# Altium PCB RFID_PCB.PcbDoc (part 2 of 4) (continued)
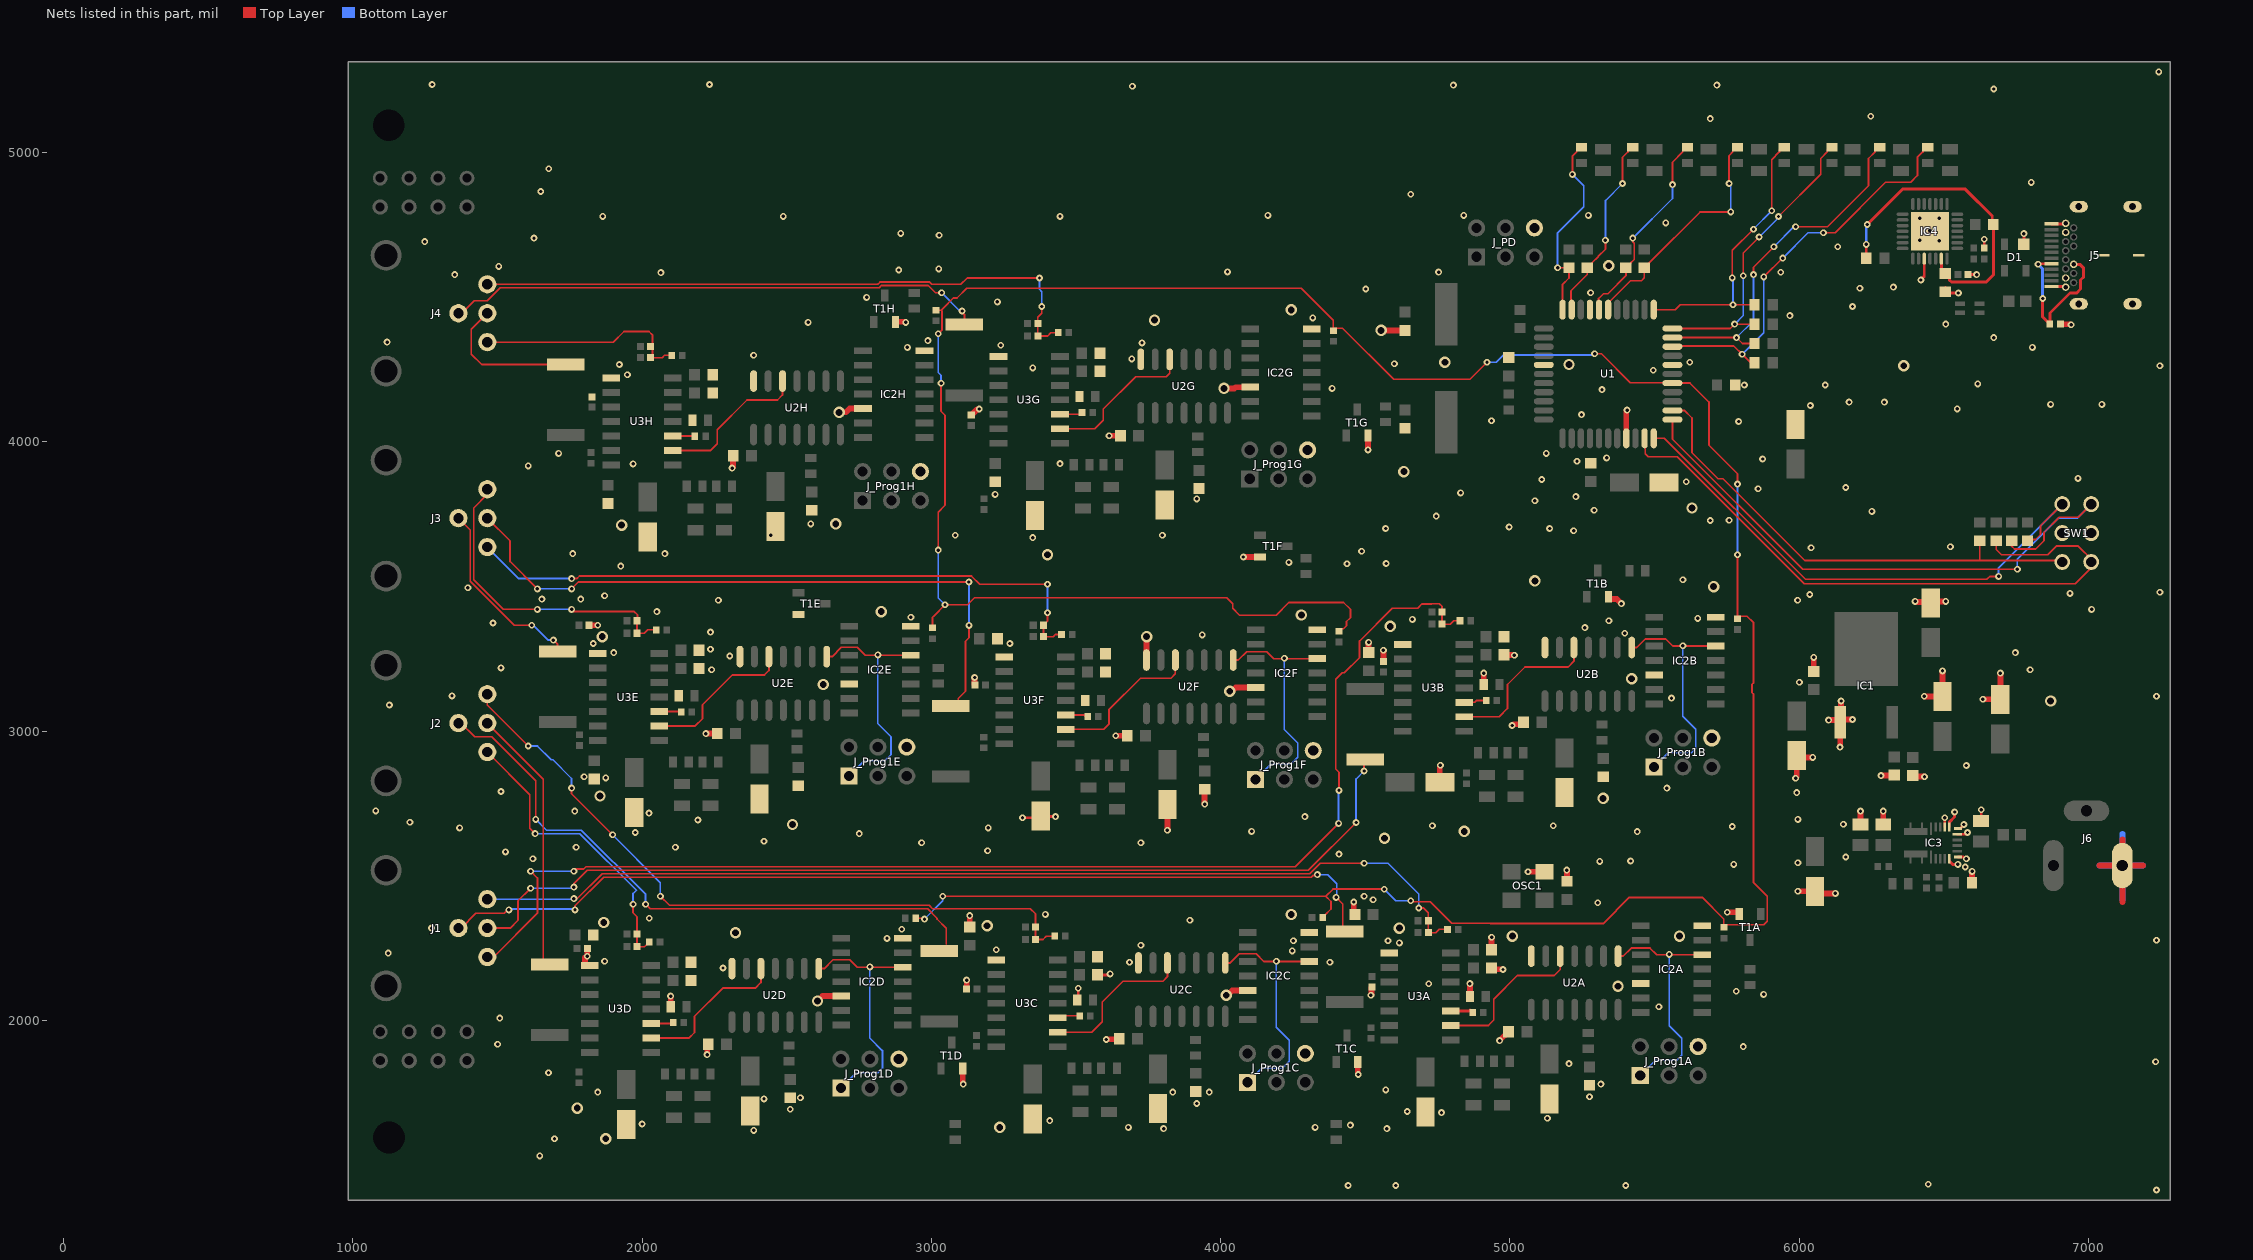
[diagram p2: the nets of this part, all layers, seen from the top]
## Part data (continued)
U3A U3B U3C U3D U3E U3F U3G U3H: library part HTRC110, "HITAG RFID READER 125KHZ", Manufacturer="NXP Semiconductors", Part Number=HTRC11001T/03EE

## Free pads (board coordinates)
  round 50 hole 110: 1(1124,5095) 2(1124.25,1595)

## Via types
v1: diameter 23.62, hole 11.81, Top Layer to Bottom Layer, tented both sides, 644 vias
v2: diameter 39.37, hole 23.62, Top Layer to Bottom Layer, tented both sides, 61 vias

## Nets (pads, with @x,y where several pads share a name; then routed paths per layer and width w, separated by ;. In a path a pad name is that pad's centre, name@x,y a point inside that pad or via, vN(x,y) a via of type N, cw(c..) or ccw(c..) an arc to the next point about the centre after c; other vN are vias at no path point)
BV_1: R11.1 SW1.1 U1.10 | length 2235.5
  Top Layer w6: U1.10@5468.31,4012.56 5468.31,3959.17 5478.32,3949.17 5578.84,3949.17 6018.01,3510 6955,3510 7015.23,3570.23 7015.23,3590 6965.23,3640 6890,3640 6860,3610 6700,3610 6681.67,3628.33 R11.1@6681.67,3658.5
BV_2: R12.1 SW1.2 U1.11 | length 1950.6
  Top Layer w6: U1.11@5497.48,4012.56 5534.69,4012.56 6022.24,3525 6649.77,3525 6659.77,3535 v1(6690,3535) 6695,3535 v1@6697.38,3537.38 ; R12.1@6790,3662.83 6817.83,3662.83 6835,3680 6835,3709.77 SW1.2@6915.23,3790
  Bottom Layer w6: v1(6690,3535) 6690,3564.77 SW1.2@6915.23,3790
BV_3: R13.1 SW1.4 U1.12 | length 2213
  Top Layer w6: U1.12@5562.44,4077.52 5562.44,4009.92 6012.36,3560 v1(6755,3560) ; R13.1@6735,3662.83 R13.1@6735,3658.5 6735,3640 6745,3630 6818.97,3630 6847,3658.03 6847,3687 6900,3740 6965.23,3740 SW1.4@7015.23,3790
  Bottom Layer w6: v1(6755,3560) 6755,3595 6896.4,3736.4 6961.63,3736.4 SW1.4@7015.23,3790
BV_4: R14.1 SW1.8 U1.13 | length 1710.9
  Top Layer w6: U1.13@5562.44,4109.02 5603.58,4109.02 5629.92,4082.68 5629.92,3962.69 5719.73,3872.89 5737.35,3872.89 6020.24,3590 6625,3590 ; R14.1@6625,3662.83 R14.1@6625,3658.5 6625,3590 ; SW1.8@6915.23,3590 6625,3590
CC1: J5.A5 J5.B8 R22.2 | length 565.9
  Top Layer w10: v1(6826.77,4614.17) 6828.74,4616.14 J5.A5@6872.83,4616.14 ; v1(6842.52,4496.06) 6842.52,4432.17 6860.12,4414.57 6860.91,4414.57 R22.2@6867.32,4408.15 ; R22.2@6867.32,4407.36 R22.2@6867.32,4408.15 ; J5.B8@6949.61,4614.17 6970.69,4614.17 6984.25,4600.61 6984.25,4570.87 6973.4,4560.02 6973.4,4528.52 6960.24,4515.35 6936.61,4515.35 6867.32,4446.06 R22.2@6867.32,4408.15
  Bottom Layer w10: v1(6826.77,4614.17) 6842.52,4598.43 v1(6842.52,4496.06)
CP_VCC: C29.2 IC4.6 R32.2 R34.2 | length 1099.1
  Top Layer w10: R32.2@6232.64,4635.83 v1(6232.64,4683.17) ; v1(6236.22,4751.97) 6358.27,4874.02 6575,4874.02 6668.22,4780.8 6668.22,4755.57 6671.82,4751.97 6671.82,4577.33 6647.41,4552.92 6526.76,4552.92 6520.9,4558.78 6520.9,4568.98 6512.43,4577.44 6506.21,4577.44 C29.2@6506.21,4582.68 ; IC4.6@6492.13,4633.86 6492.13,4592.52 C29.2@6504.09,4580.55
  Bottom Layer w10: v1(6232.64,4683.17) 6232.64,4744.7 6236.22,4748.28 v1(6236.22,4751.97)
D1: R1.2 R35.1 U1.20 | length 1398.9
  Top Layer w6: U1.20@5562.44,4331.82 5774.48,4331.82 v1(5803.15,4303.15) 5832.8,4273.5 R1.2@5846.02,4273.5 ; v1(5877.95,4570.87) 5942.91,4635.83 v1(5943.5,4635.83) ; v1(6084.53,4723.23) 6124.8,4723.23 6299.21,4897.64 6385.83,4897.64 6409.45,4921.26 6409.45,4983.86 6428.39,5002.8 6428.39,5008.12 6439.57,5019.29 R35.1@6444.88,5019.29
  Bottom Layer w6: v1(5803.15,4303.15) 5877.95,4377.95 v1(5877.95,4570.87) ; v1(5943.5,4635.83) 6030.91,4723.23 v1(6084.53,4723.23)
D2: R2.2 R37.1 U1.21 | length 1226.8
  Top Layer w6: U1.21@5562.44,4360.98 v1(5784.02,4360.98) 5804.57,4340.43 R2.2@5846.02,4340.43 ; v1(5842.52,4578.74) 5842.52,4604.33 v1(5913.39,4675.2) ; v1(5988.19,4744.09) 6098.43,4744.09 6240.16,4885.83 6240.16,4979.92 6263.04,5002.8 6263.04,5008.12 6274.21,5019.29 R37.1@6279.53,5019.29
  Bottom Layer w6: v1(5784.02,4360.98) 5842.52,4419.49 v1(5842.52,4578.74) ; v1(5913.39,4675.2) 5982.28,4744.09 v1(5988.19,4744.09)
D3: R3.2 R39.1 U1.22 | length 1044.3
  Top Layer w6: U1.22@5562.44,4392.48 5762.48,4392.48 v1(5777.36,4407.36) R3.2@5846.02,4407.36 ; v1(5807.09,4574.8) 5807.09,4653.54 v1(5862.2,4708.66) ; v1(5929.13,4779.53) 6074.8,4925.2 6074.8,4979.92 6097.69,5002.8 6097.69,5008.12 6108.86,5019.29 R39.1@6114.17,5019.29
  Bottom Layer w6: v1(5777.36,4407.36) 5807.09,4437.09 v1(5807.09,4574.8) ; v1(5862.2,4708.66) 5929.13,4775.59 v1(5929.13,4779.53)
D4: R4.2 R41.1 U1.23 | length 978.9
  Top Layer w6: U1.23@5497.48,4457.44 5572.44,4457.44 5589.29,4474.29 v1(5771.65,4474.29) R4.2@5846.02,4474.29 ; v1(5769.43,4567.36) 5769.43,4662.34 v1(5842.52,4735.43) ; v1(5905.51,4799.21) 5905.51,4975.98 5932.33,5002.8 5932.33,5008.12 5943.5,5019.29 R41.1@5948.82,5019.29
  Bottom Layer w6: v1(5769.43,4567.36) 5771.65,4565.14 v1(5771.65,4474.29) ; v1(5842.52,4735.43) 5842.52,4736.22 v1(5905.51,4799.21)
D5: R5.2 R36.1 U1.28 | length 840.5
  Top Layer w6: U1.28@5340,4457.44 5340,4480.47 5417.32,4557.8 5455.44,4557.8 5465,4567.36 R5.2@5465,4602.36 5466.97,4602.36 5481.69,4617.08 5481.69,4619.05 5657.91,4795.28 v1(5763.78,4795.28) ; v1(5758.11,4893.7) 5758.11,4990 5770.91,5002.8 5770.91,5008.12 5782.09,5019.29 R36.1@5787.4,5019.29
  Bottom Layer w6: v1(5758.11,4893.7) 5758.11,4888.93 5763.78,4883.26 v1(5763.78,4795.28)
D6: R6.2 R38.1 U1.29 | length 707.3
  Top Layer w6: U1.29@5308.5,4457.44 5307.09,4458.86 5307.09,4496.06 5323.91,4512.89 5339.66,4512.89 5401.57,4574.8 R6.2@5401.57,4602.36 5403.54,4602.36 5418.26,4617.08 5418.26,4619.05 5430.26,4631.05 5430.26,4686.8 5425.2,4691.86 v1(5425.2,4704.72) ; v1(5562.44,4889.76) 5562.44,4967.56 5597.69,5002.8 5597.69,5008.12 5608.86,5019.29 R38.1@5614.17,5019.29
  Bottom Layer w6: v1(5425.2,4704.72) 5562.44,4841.97 v1(5562.44,4889.76)
D7: R7.2 R40.1 U1.32 | length 654.6
  Top Layer w6: U1.32@5211.69,4457.44 5211.69,4522.79 5267.72,4578.82 R7.2@5267.72,4602.36 5269.69,4602.36 5284.4,4617.08 5284.4,4619.05 5305.96,4640.61 5305.96,4641.8 5330.71,4666.55 v1(5330.71,4697.35) ; v1(5389.76,4893.7) 5389.76,4983.86 5408.71,5002.8 5408.71,5008.12 5419.88,5019.29 R40.1@5425.2,5019.29
  Bottom Layer w6: v1(5330.71,4697.35) 5330.71,4834.65 v1(5389.76,4893.7)
D8: R8.2 R42.1 U1.33 | length 680.4
  Top Layer w6: v1(5165.35,4602.36) R8.2@5204.72,4602.36 5204.72,4566.93 5182.52,4544.72 U1.33@5182.52,4457.44 ; v1(5216.54,4925.2) 5216.54,4987.8 5231.54,5002.8 5231.54,5008.12 5242.72,5019.29 R42.1@5248.03,5019.29
  Bottom Layer w6: v1(5165.35,4602.36) 5165.35,4723.23 5255.91,4813.78 5255.91,4885.83 v1(5216.54,4925.2)
DINA: U2A.12 U3A.9 | length 548.5
  Top Layer w6: U3A.9@4795.28,1982.68 4926.34,1982.68 4944.88,2001.22 4944.88,2074.61 4945.92,2074.61 5026.35,2155.05 5153.18,2155.05 5174.17,2176.04 5174.17,2222.2 U2A.12@5174.41,2222.44
DINB: U2B.12 U3B.9 | length 555
  Top Layer w6: U3B.9@4842.52,3049.61 4962.99,3049.61 4992.13,3078.74 4992.13,3161.42 5052.69,3221.98 5202.29,3221.98 5221.65,3241.34 U2B.12@5221.65,3289.37
DINC: U2C.12 U3C.9 | length 546.7
  Top Layer w6: U3C.9@3437.01,1959.06 3554.74,1959.06 3590.55,1994.87 3590.55,2063.37 3662.54,2135.36 3800.72,2135.36 3816.14,2150.79 U2C.12@3816.14,2198.82
DIND: U2D.12 U3D.9 | length 539.6
  Top Layer w6: U3D.9@2031.5,1939.37 2162.56,1939.37 2181.1,1957.92 2181.1,2014.27 2278.57,2111.74 2391.27,2111.74 2410.63,2131.1 U2D.12@2410.63,2179.13
DINE: U2E.12 U3E.9 | length 534.4
  Top Layer w6: U3E.9@2059.05,3018.11 2183.34,3018.11 2208.66,3043.43 2208.66,3090.93 2312.15,3194.42 2422.76,3194.42 2438.19,3209.84 U2E.12@2438.19,3257.87
DINF: U2F.12 U3F.9 | length 535.5
  Top Layer w6: U3F.9@3464.57,3006.3 3595.63,3006.3 3613.8,3024.47 3613.8,3073.82 3722.96,3182.98 3828.65,3182.98 3843.7,3198.03 U2F.12@3843.7,3246.06
DING: U2G.12 U3G.9 | length 529.5
  Top Layer w6: U3G.9@3444.88,4045.67 3565.35,4045.67 3594.49,4074.8 3594.49,4113.9 3706.5,4225.91 3812.53,4225.91 3824.02,4237.4 U2G.12@3824.02,4285.43
DINH: U2H.12 U3H.9 | length 535.5
  Top Layer w6: U3H.9@2106.3,3970.87 2237.36,3970.87 2259.84,3993.35 2259.84,4042.7 2362.34,4145.2 2468.04,4145.2 2485.43,4162.6 U2H.12@2485.43,4210.63
DOUTA: R19A.1 U3A.10 | length 68.1
  Top Layer w10: U3A.10@4795.28,2032.68 4859.45,2032.68 R19A.1@4862.2,2035.43
DOUTB: R19B.1 U3B.10 | length 70.1
  Top Layer w6: U3B.10@4842.52,3099.61 4879.13,3099.61 4885.83,3106.3 R19B.1@4909.84,3106.3
DOUTC: R19C.1 U3C.10 | length 79.8
  Top Layer w6: U3C.10@3437.01,2009.06 cw(c3443.7,2009.06) 3443.7,2015.75 R19C.1@3512.99,2015.75
DOUTD: R19D.1 U3D.10 | length 77.1
  Top Layer w6: U3D.10@2031.5,1989.37 2104.72,1989.37 R19D.1@2107.48,1992.13
DOUTE: R19E.1 U3E.10 | length 67.8
  Top Layer w6: U3E.10@2059.05,3068.11 2125.2,3068.11 R19E.1@2126.38,3066.93
DOUTF: R19F.1 U3F.10 | length 69.4
  Top Layer w6: U3F.10@3464.57,3056.3 3526.77,3056.3 R19F.1@3531.89,3051.18
DOUTG: R19G.1 U3G.10 | length 78.8
  Top Layer w6: U3G.10@3444.88,4095.67 3514.17,4095.67 R19G.1@3520.87,4102.36
DOUTH: R19H.1 U3H.10 | length 67.8
  Top Layer w6: U3H.10@2106.3,4020.87 2172.44,4020.87 R19H.1@2173.62,4019.68
GND: C1.1 C2A.1 C2B.1 C2C.1 C2D.1 C2E.1 C2F.1 C2G.1 C2H.1 C3A.2 C3B.2 C3C.2 C3D.2 C3E.2 C3F.2 C3G.2 C3H.2 C5.2 C6A.1 C6B.1 C6C.1 C6D.1 C6E.1 C6F.1 C6G.1 C6H.1 C7.1 C8.1 C9.1 C10A.2 C10B.2 C10C.2 C10D.2 C10E.2 C10F.2 C10G.2 C10H.2 C11A.1 C11B.1 C11C.1 C11D.1 C11E.1 C11F.1 C11G.1 C11H.1 C12.1 C13A.2 C13B.2 C13C.2 C13D.2 C13E.2 C13F.2 C13G.2 C13H.2 C14A.1 C14B.1 C14C.1 C14D.1 C14E.1 C14F.1 C14G.1 C14H.1 C15A.1 C15B.1 C15C.1 C15D.1 C15E.1 C15F.1 C15G.1 C15H.1 C16.2 C17.2 C18.2 C19.2 C20.2 C21.2 C22.2 C23.2 C24.2 C25.1 C26.1 C27.1 C28.1 C29.1 D1.1 IC1.1 IC2A.7 IC2A.12 IC2B.7 IC2B.12 IC2C.7 IC2C.12 IC2D.7 IC2D.12 IC2E.7 IC2E.12 IC2F.7 IC2F.12 IC2G.7 IC2G.12 IC2H.7 IC2H.12 IC3.1 IC3.2 IC3.14 IC3.15 IC3.19 IC3.20 IC4.3 IC4.29 J5.A1 J5.A12 J5.B1 J5.B12 J5.G1 J5.G2 J5.Shell J6.1 J_PD.6 J_Prog1A.6 J_Prog1B.6 J_Prog1C.6 J_Prog1D.6 J_Prog1E.6 J_Prog1F.6 J_Prog1G.6 J_Prog1H.6 OSC1.2 R10.1 R20A.2 R20B.2 R20C.2 R20D.2 R20E.2 R20F.2 R20G.2 R20H.2 R22.1 R30.1 R33.1 SW1.C1 SW1.C2 T1A.2 T1B.2 T1C.2 T1D.2 T1E.2 T1F.2 T1G.2 T1H.2 U1.8 U1.18 U1.30 U1.38 U2A.14 U2B.14 U2C.14 U2D.14 U2E.14 U2F.14 U2G.14 U2H.14 U3A.1 U3B.1 U3C.1 U3D.1 U3E.1 U3F.1 U3G.1 U3H.1 | length 4941.5
  Top Layer w5: v2@5704.72,3484.25 v2(5704.72,3500)
  Top Layer w9.84: IC3.2@6503.94,2669.29 v1(6503.94,2700.79) ; IC3.14@6519.69,2559.06 6519.69,2549.21 6520.67,2548.23 6522.64,2548.23 6531.41,2539.46 6549.12,2539.46 v1(6549.21,2539.37) ; IC3.1@6519.69,2669.29 6519.69,2685.04 6537.93,2703.28 v1(6537.93,2720.47) ; IC3.19@6547.24,2643.7 6576.77,2643.7 v1(6582.66,2649.6) ; IC3.15@6549.21,2564.96 6569.11,2564.96 6575.01,2559.06 v1(6578.74,2559.06) ; IC3.20@6549.21,2663.39 6558.07,2663.39 6558.07,2664.51 6570.2,2676.64 v1(6570.2,2677.17) ; C25.1@6629.92,2688.98 v1(6629.92,2728.35)
  Top Layer w10: v1(3314.96,2700.79) 3372.05,2700.79 C13F.2@3377.95,2706.69 3379.92,2704.72 v1(3429.13,2704.72) ; R20C.2@3504.33,2070.87 3507.87,2074.41 v1(3507.87,2111.36) ; C15C.1@3574.8,2157.48 3611,2157.48 3614.42,2160.9 v1(3618.11,2160.9) ; v1(6421.26,4560.02) 6421.26,4561.14 6433.07,4572.95 IC4.3@6433.07,4633.86 ; C29.1@6506.21,4533.46 6513.42,4526.26 6513.42,4522.44 6520.9,4514.96 v1(6551.18,4514.96) ; C28.1@6584.65,4578.74 v1(6614.17,4578.74) ; v1(6640.55,4700.79) R33.1@6640.55,4671.14 R33.1@6642.25,4669.44 ; D1.1@6777.56,4683.07 v1(6777.56,4720.47) ; J5.A1@6872.83,4537.4 6920.08,4537.4 J5.B12@6922.05,4535.43 ; J5.A12@6872.83,4753.94 6920.08,4753.94 J5.B1@6922.05,4755.91
  Top Layer w20: v1@1801.97,2217.64 1801.97,2191.18 1803.78,2189.37 U3D.1@1818.9,2189.37 ; v1(1810.39,2221.57) C10D.2@1810.39,2248.03 ; C10E.2@1816.93,3366.14 v1(1846.46,3366.14) ; v1(2098.43,2083.86) 2098.82,2083.46 R20D.2@2098.82,2047.24 ; v1(2220.34,2991.73) 2220.54,2991.93 2259.65,2991.93 C6E.1@2259.84,2992.13 ; v1(2224.41,1881.89) 2225.1,1882.58 2225.1,1914.08 C6D.1@2228.35,1917.32 ; v1(2311.02,3909.45) 2311.02,3910.43 2313.8,3913.21 2313.8,3951.6 C6H.1@2314.96,3952.76 ; v2(2606.3,2066.93) 2623.23,2083.86 IC2D.12@2688.98,2083.86 ; v2(2681.1,4102.36) 2704.72,4102.36 2717.72,4115.35 IC2H.12@2763.78,4115.35 ; T1H.2@2875.98,4415.35 2876.06,4415.27 2908.64,4415.27 2910.53,4413.39 v1(2911.51,4413.39) ; T1D.2@3108.27,1833.07 3108.27,1782.48 3110.24,1780.51 v1(3110.24,1779.53) ; C10C.2@3122.05,2109.06 v1(3122.05,2139.37) ; C11C.1@3132.89,2322.83 v1(3132.89,2362.2) ; C10G.2@3137.8,4092.52 3158.49,4113.21 3164.66,4113.21 v1(3165.35,4113.9) ; v1(3149.61,3185.49) 3149.61,3160.95 C10F.2@3151.57,3158.98 ; v1(3604.54,1933.92) 3605.23,1934.61 3647.42,1934.61 C6C.1@3652.18,1939.37 ; v1(3614.57,4021.65) 3614.96,4021.26 3653.15,4021.26 C6G.1@3653.54,4020.87 ; v1(3637.8,2984.25) C6F.1@3677.17,2984.25 ; U2F.14@3743.7,3246.06 3743.7,3326.38 v2(3744.09,3326.77) ; v2@3767.72,4421.26 v2(3771.65,4421.26) ; v1(3816.14,2657.48) C3F.2@3816.14,2746.06 ; C2F.1@3944.88,2799.21 3944.88,2748.63 v1(3945.48,2748.03) ; v2(4011.81,4185.04) 4047.24,4185.04 4051.18,4188.98 4101.18,4188.98 IC2G.12@4102.36,4190.16 ; v2(4019.68,2086.61) 4023.62,2086.61 4040.55,2103.54 IC2C.12@4094.49,2103.54 ; v2(4031.5,3137.8) 4039.37,3137.8 4052.36,3150.79 IC2F.12@4122.05,3150.79 ; v1(4078.74,3602.36) T1F.2@4136.6,3602.36 ; v1(4460.63,2409.45) 4460.63,2370.08 C11A.1@4464.57,2366.14 ; T1C.2@4474.41,1856.69 4474.41,1815.75 4476.19,1813.97 v1(4476.19,1812.99) ; v1(4509.84,3972.44) T1G.2@4509.84,4021.65 ; C11B.1@4511.81,3271.65 v1(4511.81,3307.09) ; v1(4519.69,2086.94) 4519.69,2087.92 4521.56,2089.79 4521.56,2114.08 C10A.2@4523.62,2116.14 ; v2(4555.12,4385.83) C9.1@4637.8,4385.83 ; C10B.2@4562.99,3240.16 v1(4562.99,3279.53) ; C13B.2@4757.87,2823.54 4757.87,2878.94 4759.84,2880.91 v1(4759.84,2881.89) ; v1(4862.2,2127.17) 4862.6,2126.77 R20A.2@4862.6,2082.68 ; R20B.2@4909.84,3161.42 v1(4909.84,3200.79) ; C15A.1@4937.01,2181.1 4941.38,2176.73 4975.69,2176.73 v1(4976.38,2176.04) ; C14A.1@4937.01,2244.09 v1(4937.01,2287.4) ; v1(4964.57,1930) 4995.2,1960.63 C6A.1@4996.06,1960.63 ; C15B.1@4980.31,3263.78 4980.91,3263.19 5015.54,3263.19 v1(5016.13,3262.6) ; v1(5007.87,3019.68) 5008.85,3019.68 5012.76,3023.59 5039.34,3023.59 C6B.1@5047.24,3031.5 ; v1(5062.99,2514.11) OSC1.2@5120,2514.11 ; v1(5196.85,2519.68) 5197.38,2519.15 5197.38,2481.93 C12.1@5197.91,2481.39 ; T1B.2@5341.31,3464.72 5341.31,3459.94 5344.1,3457.15 5369.62,3457.15 v1(5385.83,3440.94) ; U1.8@5402.99,4012.56 5402.99,4107.72 v1(5405.51,4110.24) ; v2(5421.26,3181.1) v2@5425.2,3181.1 ; v1(5751.97,2374.02) 5790.51,2374.02 5793.31,2371.22 T1A.2@5793.31,2368.11 ; v1(5988.19,2837.01) 5988.19,2837.99 5992.13,2841.93 C23.2@5992.13,2915.35 5998.03,2909.45 v1(6047.24,2909.45) ; v1(5996.06,2446.34) C16.2@6055.12,2446.34 6062.49,2438.96 v1(6125.98,2438.96) ; C20.2@6051.18,3206.6 v1(6051.18,3255.16) ; v1(6102.36,3038.35) 6134.88,3038.35 IC1.1@6142.52,3030.71 ; v1(6141.73,2944.88) 6141.73,2945.86 6142.52,2946.65 IC1.1@6142.52,3030.71 ; v1(6145.67,3104.33) 6144.98,3103.64 6144.98,3033.17 IC1.1@6142.52,3030.71 ; IC1.1@6152.52,3040.39 v1(6185.04,3040.39) ; C26.1@6212.6,2677.17 v1(6212.6,2723.7) ; v1(6283.46,2846.46) 6327.95,2846.46 C19.2@6329.53,2848.03 ; v1(6291.21,2723.7) 6291.34,2723.57 C27.1@6291.34,2677.17 ; C18.2@6393.7,2846.46 6396.94,2843.21 6433.36,2843.21 v1(6434.05,2842.52) ; v1(6401.57,3448.82) 6402.55,3448.82 6404.35,3447.03 6452.58,3447.03 C21.2@6455.71,3443.9 6460.63,3448.82 v1(6507.48,3448.82) ; v1(6433.07,3120.87) 6434.05,3120.87 6434.84,3120.08 C17.2@6496.06,3120.08 v1(6496.06,3208.24) ; R30.1@6598.43,2476.38 v1(6598.43,2515.23) ; v1(6635.83,3110.24) 6635.98,3110.08 C5.2@6696.14,3110.08 6696.85,3109.37 6696.85,3199.1 6696.14,3199.81 v1(6696.14,3200.79) ; R22.1@6904.33,4407.36 6938.11,4407.36 6939.96,4405.51 v1(6940.94,4405.51) ; 7039.37,2535.43 J6.1@7110.24,2535.43 ; 7118.11,2409.45 J6.1@7118.11,2480.32 ; J6.1@7118.11,2535.43 7188.98,2535.43 ; J6.1@7118.11,2555.12 7118.11,2625.98
  Bottom Layer w20: 7039.37,2535.43 J6.1@7110.24,2535.43 ; 7118.11,2417.32 J6.1@7118.11,2488.19 ; J6.1@7118.11,2535.43 7188.98,2535.43 ; J6.1@7118.11,2574.8 7118.11,2645.67
  other v1: 7236.22,1413.39 4440.94,1429.13 4605.9,1429.13 5401.06,1429.13 6446.83,1433.45 1645.67,1531.5 1696.85,1590.55 2385.83,1619.57 3803.15,1625.98 4575.2,1625.98 3681.1,1629.92 4326.77,1629.92 4448.82,1637.8 2000,1641.73 3409.45,1653.54 5129.92,1661.42 4763.78,1681.1 4645.67,1685.04 2511.81,1692.91 3917.32,1712.6 2421.26,1728.35 2547.24,1732.28 5275.59,1736.22 1846.46,1751.97 3834.65,1751.97 3960.63,1751.97 4570.87,1759.84 5314.96,1779.53 1676.08,1818.7 5204.72,1850.39 7233,1857 5807.09,1909.45 1500,1917.32 1507.87,2007.87 5515.75,2047.24 5877.56,2090.03 5783.22,2100.52 4719.52,2126.8 2279.53,2181.1 3685.04,2200.79 4377.95,2201 1870.08,2204.72 1122.05,2232.68 4248.03,2240.16 3224.41,2244.09 3724.41,2259.84 4618.11,2267.72 4251.97,2275.59 4578.74,2275.59 7236.22,2277.17 2846.46,2283.46 2897.64,2314.96 1271.65,2318.9 3893.7,2346.46 2024.8,2353.11 3394.19,2366.41 5303.91,2406.84 4527.56,2417.32 4496.06,2429.13 6574.71,2530.43 5774.51,2539.37 5996.06,2545.17 5311.02,2549.74 5417.72,2551.18 1622.05,2559.06 6161.42,2564.96 4409.45,2574.8 1527.56,2582.68 3194.66,2586.61 1771.65,2598.43 2115.11,2598.43 2966.28,2614.17 3724.41,2614.17 2421.26,2619.55 2750.85,2645.67 1976.38,2649.61 5440.69,2652.61 4107.47,2653.54 1368.64,2665.35 3196.85,2665.35 5769.43,2670.38 4732.28,2673.23 5150.36,2673.23 6153.54,2678.29 1196.85,2685.04 2192.91,2692.91 5996.06,2694.88 4291.34,2704.72 2023.62,2716.54 1078.74,2724.41 1767.02,2723.7 5992.13,2787.4 1511.81,2791.34 5543.31,2803.15 1874.02,2838.58 1799.21,2842.52 6578.74,2881.18 1125.98,3090.55 5559.06,3114.17 7236.22,3120.87 1342.52,3122.05 6001.53,3169.12 2240.16,3212.6 6799.21,3212.6 1511.81,3218.82 2303.15,3259.84 1901.57,3271.65 6748.03,3271.65 2236.22,3283.46 1830.71,3303.15 3271.65,3303.15 3936.7,3332.98 5397.64,3338.58 2236.22,3342.52 5259.84,3358.27 1484.25,3374.02 5342.52,3381.89 4663.39,3386.48 5649.61,3389.76 2929.13,3393.7 2051.18,3413.39 7011.81,3421.26 2263.78,3452.76 5995.13,3452.76 1653.54,3456.69 1787.4,3456.69 1870.08,3468.5 6037.18,3472.44 6937.01,3476.38 7248.03,3480.32 1397.64,3496.06 5598.43,3523.62 1925.94,3570.87 4437.01,3578.74 4572.23,3579.62 4236.22,3583.64 1759.84,3614.17 2078.74,3614.17 4487.63,3622.32 6041.64,3634.42 6523.62,3637.8 3350.39,3669.29 2444.88,3677.17 3082.68,3677.17 3799.02,3677.17 5220.47,3692.91 4570.49,3700.79 5137.8,3700.79 4997.53,3706.03 2582.68,3716.54 5692.91,3728.35 5758.11,3729.37 4745.84,3743.53 6251.97,3759.84 5291.34,3763.78 5086.74,3796.5 3917.32,3803.15 5228.35,3811.02 3220.47,3818.9 4829.81,3823.69 5858.49,3838.45 6161.42,3842.52 5610.24,3862.2 5110.24,3870.08 6964.57,3874.02 1606.3,3917.32 1968.5,3924.25 3444.88,3925.2 5232.28,3933.07 5874.02,3940.94 5334.65,3944.88 1710.94,3960.62 5125.97,3960.62 5791.34,4070.78 4936.77,4073.2 5248.03,4094.49 6547.24,4114.17 6039.37,4125.98 6870.08,4129.92 7047.24,4129.92 6173.23,4137.8 6295.28,4137.8 5318.9,4181.1 4385.42,4185.03 5811.02,4196.85 6090.55,4196.85 6618.11,4200.79 1948.82,4232.28 5496.06,4248.03 3350.39,4255.91 7248.03,4263.78 1921.26,4267.72 4601.17,4270.43 5622.05,4275.59 3692.91,4287.4 2385.43,4299.61 2917.32,4326.77 6807.09,4326.77 3240.16,4334.65 3728.35,4342.52 1118.11,4345.13 2988.18,4350.39 6673.23,4360.98 6507.48,4407.36 2573.6,4413.39 4318.9,4429.13 5968.5,4437.01 6185.04,4468.5 3228.35,4484.25 2775.91,4500 5279.53,4515.75 4502,4529 6210.63,4531.49 6326.38,4535.43 1352.16,4578.74 2065,4585.74 4753.71,4587.18 5937.01,4586.61 4024.02,4587.95 2887.03,4594.49 3025.38,4598.43 1504.21,4607.08 6133.86,4675.2 1248.03,4692.91 6484.25,4695.13 6417.32,4697.35 1625.98,4704.72 3026.89,4714.84 2894.31,4721.11 6452.76,4730.56 5539.09,4757.58 6417.32,4773.87 6484.25,4773.87 1864,4780 2488,4780 3444.88,4780 4163.64,4783.46 4840.95,4783.46 5271.65,4783.46 4657.48,4856.56 1649.61,4866.14 6803.24,4897.64 1677.17,4944.88 5692.91,5118.11 6248.03,5125.98 6673.23,5220.47 3695,5230 4804.86,5234 5716,5234 1273.62,5236 2233,5236 7244.09,5279.53
  other v2: 1874.02,1590.55 3236.22,1629.92 1775.59,1696.85 5374.02,2118.11 5008.85,2291.34 5586.61,2291.34 2322.83,2303.15 4618.11,2318.9 3192.91,2327.17 1867.27,2338.58 4244.09,2366.14 4566.93,2629.92 4842.52,2653.54 2519.68,2677.17 5322.83,2767.72 1854.33,2775.84 6870.08,3104.33 2625.98,3161.42 1862.2,3326.77 4586.61,3362.2 4279.53,3401.57 2826.77,3413.39 5086.61,3519.68 3401.57,3610.24 1929.13,3712.6 2669.29,3716.54 5629.92,3771.65 4633.86,3897.64 6362.2,4263.78 5204.72,4267.72 4775.59,4275.59 4244.09,4456.69 5342.21,4609.36
IN_N1: C4A.1 C30A.1 J1.1 R24A.1 | length 3544.6
  Top Layer w6: v1(1763.78,2421.26) 1775.59,2421.26 1861.65,2507.32 4308.59,2507.32 4344.58,2543.31 v1(4496.06,2543.31) ; v1(4685.04,2388.64) 4685.32,2388.36 4702.19,2388.36 4718.5,2372.05 C30A.1@4718.5,2344.56 C4A.1@4718.5,2303.15 4744.13,2303.15 4755.94,2314.96 R24A.1@4784.65,2314.96
  Bottom Layer w6: J1.1@1464.56,2419.14 1761.66,2419.14 v1(1763.78,2421.26) ; v1(4496.06,2543.31) 4578.74,2543.31 4685.04,2437.01 v1(4685.04,2388.64)
IN_N2: C4B.1 C30B.1 J1.3 R24B.1 | length 4399.1
  Top Layer w6: J1.3@1464.56,2219.14 1486.86,2219.14 1637.8,2370.08 1637.8,2492.13 v1(1614.17,2515.75) ; v1(1763.78,2515.75) 1771.65,2523.62 1797.99,2523.62 1805.68,2531.32 4258.29,2531.32 v1(4408.07,2681.1) ; v1(4409.45,2795.28) 4409.45,2857.84 4398.16,2869.13 4398.16,3179.8 4420.54,3202.18 4428.09,3202.18 4480.31,3254.41 4480.31,3311.42 4594.09,3425.2 4681.1,3425.2 4695.72,3439.82 4729.09,3439.82 4730.22,3440.94 4756.33,3440.94 4765.75,3431.52 C30B.1@4765.75,3411.42 C4B.1@4765.75,3370.08 4794.05,3370.08 4805.86,3381.89 R24B.1@4827.95,3381.89
  Bottom Layer w6: v1(1614.17,2515.75) v1(1763.78,2515.75) ; v1(4408.07,2681.1) 4408.07,2793.9 v1(4409.45,2795.28)
IN_N3: C4C.1 C30C.1 J2.1 R24C.1 | length 2452.6
  Top Layer w6: J2.1@1464.56,3127.8 1464.56,3090.55 v1(1606.3,2948.82) ; v1(1755.91,2803.15) 1755.91,2783.46 v1(1897.64,2641.73) ; v1(2062.99,2429.13) 2094.49,2397.64 2992.13,2397.64 3003.94,2385.83 3342.52,2385.83 3360.24,2368.11 C30C.1@3360.24,2322.83 C4C.1@3360.24,2279.53 3385.83,2279.53 3397.64,2291.34 R24C.1@3426.38,2291.34
  Bottom Layer w6: J2.1@1464.56,3127.8 J2.1@1466.68,3127.8 ; v1(1606.3,2948.82) 1637.79,2948.82 1685.81,2900.79 1691.57,2900.79 1755.91,2836.46 v1(1755.91,2803.15) ; v1(1897.64,2641.73) 2062.99,2476.38 v1(2062.99,2429.13)
IN_N4: C4D.1 C30D.1 J2.3 R24D.1 | length 1038.1
  Top Layer w6: J2.3@1464.56,2927.8 1611.67,2780.69 1611.67,2704.1 1611.08,2703.5 1611.08,2664.51 v1(1629.92,2645.67) ; v1(1968.51,2401.57) 1968.51,2372.04 1982.28,2358.27 C30D.1@1982.28,2299.21 C4D.1@1982.28,2255 2008.15,2255 2015.6,2262.45 2016.39,2262.45 2024.8,2270.87 R24D.1@2024.8,2271.65
  Bottom Layer w6: v1(1629.92,2645.67) 1784.78,2645.67 1980.31,2450.13 1968.51,2438.33 v1(1968.51,2401.57)
IN_N5: C4E.1 C30E.1 J3.1 R24E.1 | length 1090.8
  Top Layer w6: J3.1@1464.56,3836.46 1464.56,3818.9 1417.32,3771.65 1417.32,3523.62 1519.68,3421.26 v1(1637.8,3421.26) ; v1(1755.91,3421.26) 1763.78,3413.39 1972.44,3413.39 1984.25,3401.57 1984.25,3383.86 C30E.1@1982.28,3381.89 C4E.1@1982.28,3338.58 2007.87,3338.58 2019.68,3350.39 R24E.1@2048.43,3350.39
  Bottom Layer w6: J3.1@1458.51,3836.46 J3.1@1464.56,3836.46 ; v1(1637.8,3421.26) v1(1755.91,3421.26)
IN_N6: C4F.1 C30F.1 J3.3 R24F.1 | length 2276.2
  Top Layer w6: v1(1755.91,3527.56) 1774.37,3527.56 1783.37,3536.56 3138.54,3536.56 3167.23,3507.87 v1(3401.57,3507.87) ; v1(3401.57,3409.45) 3401.57,3379.92 C30F.1@3387.8,3366.14 C4F.1@3387.8,3326.77 3421.26,3326.77 3429.13,3334.65 R24F.1@3450,3334.65
  Bottom Layer w6: J3.3@1464.56,3610.24 J3.3@1464.56,3636.46 1573.47,3527.56 v1(1755.91,3527.56) ; v1(3401.57,3409.45) v1(3401.57,3507.87)
IN_N7: C4G.1 C30G.1 J4.1 R24G.1 | length 2209.6
  Top Layer w6: J4.1@1464.56,4545.13 2814.64,4545.13 2822.29,4552.78 2994.16,4552.78 3001.81,4545.13 3102.12,4545.13 3123.92,4566.93 v1(3374.02,4566.93) ; v1(3381.89,4468.5) 3381.89,4444.88 3368.11,4431.1 C30G.1@3368.11,4409.45 C4G.1@3368.11,4366.14 3401.57,4366.14 3413.39,4377.95 R24G.1@3438.19,4377.95
  Bottom Layer w6: v1(3374.02,4566.93) 3374.02,4527.56 3381.89,4519.69 v1(3381.89,4468.5)
IN_N8: C4H.1 C30H.1 J4.3 R24H.1 | length 748.2
  Top Layer w6: J4.3@1464.56,4345.13 1900.24,4345.13 1937.01,4381.89 2023.62,4381.89 2035.43,4370.08 2035.43,4297.24 C4H.1@2029.53,4291.34 2068.9,4291.34 2077.17,4299.61 R24H.1@2102.14,4299.61
IN_P1: J1.4 R23A.1 | length 3315.9
  Top Layer w6: J1.4@1364.56,2319.14 1374.26,2319.14 1425.2,2370.08 1523.62,2370.08 1535.43,2381.89 v1(1539.37,2381.89) ; v1(1767.72,2381.89) 1767.72,2395.77 1867.27,2495.32 4313.56,2495.32 4318.8,2500.56 4331.27,2500.56 v1(4334.64,2503.93) ; v1(4399.61,2425.2) 4422.39,2402.42 4422.39,2313.8 R23A.1@4429.13,2307.05
  Bottom Layer w6: v1(1539.37,2381.89) 1542.69,2385.2 1764.4,2385.2 v1(1767.72,2381.89) ; v1(4334.64,2503.93) 4370.09,2503.93 4401.58,2472.44 4401.58,2427.17 v1(4399.61,2425.2)
IN_P2: J1.2 R23B.1 | length 3432.5
  Top Layer w6: J1.2@1464.56,2319.14 1543.55,2319.14 1570.87,2346.46 1570.87,2413.39 v1(1614.17,2456.69) ; v1(1763.78,2460.63) 1763.78,2472.44 1810.65,2519.32 4303.62,2519.32 v1(4468.5,2684.2) ; v1(4496.06,2862.2) 4496.06,2898.48 R23B.1@4500,2902.42
  Bottom Layer w6: v1(1614.17,2456.69) 1759.84,2456.69 v1(1763.78,2460.63) ; v1(4468.5,2684.2) 4468.5,2834.65 v1(4496.06,2862.2)
IN_P3: J2.4 R23C.1 | length 2135.3
  Top Layer w6: J2.4@1364.56,3027.8 1373.77,3027.8 1420.57,2981 1479.63,2981 1631.89,2828.74 v1(1631.89,2694.88) ; v1(2011.81,2401.57) 2027.75,2385.64 2987.16,2385.64 3019.68,2353.11 3019.68,2350.39 3051.18,2318.9 3051.18,2263.78
  Bottom Layer w6: v1(1631.89,2694.88) 1669.1,2657.67 1789.75,2657.67 2011.81,2435.6 v1(2011.81,2401.57)
IN_P4: J2.2 R23D.1 | length 927.5
  Top Layer w6: J2.2@1464.56,3027.8 1658.41,2833.96 1658.41,2210.58 1676.08,2192.91 R23D.1@1681.1,2192.91
IN_P5: J3.4 R23E.1 | length 652.2
  Top Layer w6: J3.4@1364.56,3736.46 1405.32,3695.71 1405.32,3518.65 1557.84,3366.14 v1(1618.11,3366.14) ; v1(1692.91,3314.95) 1707.63,3300.24 1707.63,3275.8 R23E.1@1707.83,3275.59
  Bottom Layer w6: v1(1618.11,3366.14) 1623.74,3366.14 1674.92,3314.95 v1(1692.91,3314.95)
IN_P6: J3.2 R23F.1 | length 2282.1
  Top Layer w6: J3.2@1464.56,3736.46 1543.31,3657.72 1543.31,3586.61 v1(1637.8,3492.13) ; v1(1755.91,3492.13) 1779.53,3515.75 v1(3129.92,3515.75) ; R23F.1@3062.99,3098.43 R23F.1@3066.93,3098.43 ; R23F.1@3066.93,3086.61 3075.41,3086.61 3093.08,3104.28 3093.08,3112.77 3118.11,3137.8 3118.11,3311.02 3130.11,3323.03 v1(3130.11,3365.75)
  Bottom Layer w6: J3.2@1464.56,3736.22 J3.2@1464.56,3736.46 ; v1(1637.8,3492.13) v1(1755.91,3492.13) ; v1@3129.92,3366.14 v1(3129.92,3515.75)
IN_P7: J4.4 R23G.1 | length 1868.3
  Top Layer w6: J4.4@1364.56,4445.13 1376.8,4445.13 1419.86,4488.19 1464.9,4488.19 1509.83,4533.13 2819.61,4533.13 2827.26,4540.78 2989.19,4540.78 3014.22,4515.75 v1(3035.43,4515.75) ; v1(3106.3,4452.76) 3106.3,4448.3 3114.17,4440.43 R23G.1@3114.17,4405.51
  Bottom Layer w6: v1(3035.43,4515.75) 3098.43,4452.76 v1(3106.3,4452.76)
IN_P8: J4.2 R23H.1 | length 506.2
  Top Layer w6: J4.2@1464.56,4445.13 1464.56,4444.88 1409.45,4389.76 1409.45,4303.31 1445.04,4267.72 R23H.1@1736.22,4267.72
MISO: R18A.1 R18B.1 R18C.1 R18D.1 R18E.1 R18F.1 R18G.1 R18H.1 U1.16 | length 10788.8
  Top Layer w6: R18D.1@2946.46,2353.11 2973.66,2353.11 v1(2976.38,2350.39) ; R18E.1@3003.94,3365.75 3003.94,3393.94 3007.64,3397.64 3007.87,3397.64 v1(3047.24,3437.01) 3125.14,3437.01 3149.14,3461.01 4021.16,3461.01 4042.18,3439.99 4042.18,3424.45 4065.58,3401.05 4192.29,3401.05 4236.31,3445.06 4425.01,3445.06 4449.01,3421.07 4449.01,3392.67 4435.52,3379.18 4435.52,3364.65 4424.8,3353.94 R18F.1@4409.45,3353.94 ; R18H.1@3015.89,4455.51 3034.25,4455.51 ; v1(3023.62,3625.98) 3023.62,3757.32 3047.24,3780.95 3047.24,4092.52 3033.46,4106.3 v1(3033.46,4202.76) ; v1(3023.62,4374.02) 3037.09,4387.49 3037.09,4452.67 3034.25,4455.51 ; v1(3039.37,2429.13) 4363.87,2429.13 ; R18C.1@4353.1,2356.2 4353.1,2356.99 4361.52,2365.41 4362.31,2365.41 4381.89,2384.99 4381.89,2411.12 4363.87,2429.13 ; v1(4565.67,2453.61) 4565.4,2453.88 4388.62,2453.88 4363.87,2429.13 ; v1(4657.48,2413.39) 4660.29,2410.57 4724.42,2410.57 4798.83,2336.17 4931.55,2336.17 4933.07,2334.65 5322.83,2334.65 5413.39,2425.2 5665.35,2425.2 5740.16,2350.39 5740.16,2330.32 5877.56,2330.32 5889.91,2342.66 5889.91,2428.99 5842.9,2476 5842.9,3127.66 5837.44,3133.11 5837.44,3162.16 5842.9,3167.61 5842.9,3374.48 5820.14,3397.24 5787.4,3397.24 v1@5787.4,3598.43 ; v1(4921.26,4275.59) 4862.2,4216.54 4598.43,4216.54 4421.65,4393.31 4389.76,4393.31 4389.76,4421.26 4279.34,4531.69 3122.62,4531.69 3088.84,4497.91 3075.96,4497.91 3042.18,4464.13 3042.18,4463.44 3034.25,4455.51 ; v1(5293.43,4305) 5317.05,4305 5417.05,4205 U1.16@5560.94,4205 ; U1.16@5562.44,4203.5 5623.27,4203.5 5688.98,4137.8 5688.98,3988.19 5787.4,3889.76 v1(5787.4,3854.33)
  Bottom Layer w6: v1(2976.38,2350.39) 3039.37,2413.39 v1(3039.37,2429.13) ; v1(3023.62,3625.98) 3023.62,3460.64 v1(3047.24,3437.01) ; v1(3023.62,4374.02) 3023.62,4240.16 3033.46,4230.31 v1(3033.46,4202.76) ; v1(4565.67,2453.61) 4605.9,2413.39 v1(4657.48,2413.39) ; v1(4921.26,4275.59) 4952.76,4275.59 4977.5,4300.34 5288.76,4300.34 v1(5293.43,4305) ; v1(5787.4,3610.24) v1(5787.4,3854.33)
MISOA: IC2A.5 J_Prog1A.1 U2A.8 | length 851.3
  Top Layer w6: U2A.8@5374.41,2222.44 5392.44,2222.44 5420,2250 5484.97,2250 5507.81,2227.17 IC2A.5@5665.35,2227.17
  Bottom Layer w6: J_Prog1A.1@5451.18,1809.45 5503.94,1862.2 5577.88,1862.2 5594.49,1878.81 5594.49,1938.67 5551.18,1981.98 v1(5551.18,2228.35)
MISOB: IC2B.5 J_Prog1B.1 U2B.8 | length 858.5
  Top Layer w6: U2B.8@5421.65,3289.37 5438.98,3289.37 5468.5,3318.9 5539.37,3318.9 5564.17,3294.09 IC2B.5@5712.6,3294.09
  Bottom Layer w6: J_Prog1B.1@5498.43,2876.38 5547.24,2925.2 5628.28,2925.2 5643.36,2940.28 5643.36,3006.67 5598.43,3051.61 v1(5598.43,3295.28)
MISOC: IC2C.5 J_Prog1C.1 U2C.8 | length 854.3
  Top Layer w6: U2C.8@4016.14,2198.82 4033.82,2198.82 4065,2230 4123.08,2230 4149.54,2203.54 IC2C.5@4307.09,2203.54
  Bottom Layer w6: J_Prog1C.1@4092.91,1785.83 4141.73,1834.65 4213.47,1834.65 4237.74,1858.91 4237.74,1931.36 4192.91,1976.19 v1(4192.91,2204.72)
MISOD: IC2D.5 J_Prog1D.1 U2D.8 | length 854.1
  Top Layer w6: U2D.8@2610.63,2179.13 2629.13,2179.13 2660,2210 2717.89,2210 2744.03,2183.86 IC2D.5@2901.57,2183.86
  Bottom Layer w6: J_Prog1D.1@2687.4,1766.14 2740.16,1818.9 2814.2,1818.9 2830.71,1835.4 2830.71,1895.6 2787.4,1938.91 v1(2787.4,2185.04)
MISOE: IC2E.5 J_Prog1E.1 U2E.8 | length 855
  Top Layer w6: U2E.8@2638.19,3257.87 2656.76,3257.87 2688.89,3290 2744.18,3290 2771.59,3262.6 IC2E.5@2929.13,3262.6
  Bottom Layer w6: J_Prog1E.1@2715,2845 2767.64,2897.64 2838.89,2897.64 2860.21,2918.95 2860.21,2981.15 2814.96,3026.4 v1(2814.96,3263.78)
MISOF: IC2F.5 J_Prog1F.1 U2F.8 | length 852.2
  Top Layer w6: U2F.8@4043.7,3246.06 4061.06,3246.06 4090,3275 4160,3275 4184.21,3250.79 IC2F.5@4334.65,3250.79
  Bottom Layer w6: J_Prog1F.1@4120.47,2833.07 4173.23,2885.83 4242.43,2885.83 4266.85,2910.25 4266.85,2959.3 4220.47,3005.67 v1(4220.47,3251.97)